# Altium PCB CarrierBoard.PcbDoc (part 2 of 2)
Units mm, origin at the board's own origin, x right, y up, seen from the top; angles counter-clockwise.
Board outline 350 x 150 mm, 2 copper layers (Top Layer, Bottom Layer); 50 components, 263 nets, 1134 pads, 905 vias.
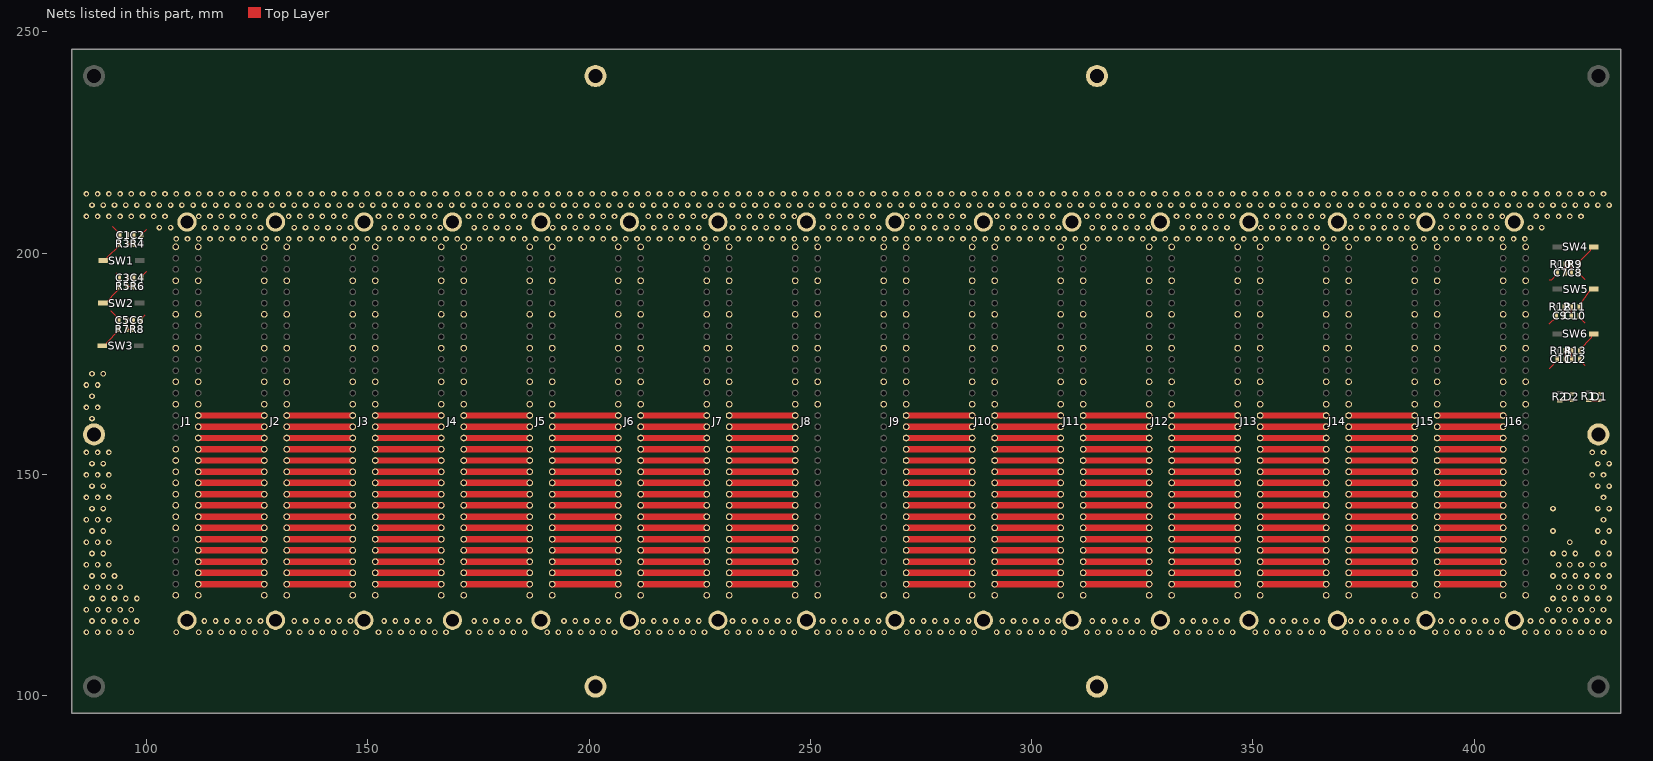
[diagram p2: the nets of this part, all layers, seen from the top]

## Via types
v1: diameter 1.27, hole 0.711, Top Layer to Bottom Layer, tented both sides, 905 vias

## Nets (pads, with @x,y where several pads share a name; then routed paths per layer and width w, separated by ;. In a path a pad name is that pad's centre, name@x,y a point inside that pad or via, vN(x,y) a via of type N, cw(c..) or ccw(c..) an arc to the next point about the centre after c; other vN are vias at no path point) (continued)
GND: C1.2 C2.2 C3.2 C4.2 C5.2 C6.2 C7.2 C8.2 C9.2 C10.2 C11.2 C12.2 D1.2 D2.2 J1.A1 J1.A4 J1.A7 J1.A10 J1.A13 J1.A15 J1.A19 J1.A20 J1.A21 J1.A22 J1.A23 J1.A24 J1.A25 J1.A26 J1.A32 J1.C1 J1.C4 J1.C7 J1.C10 J1.C13 J1.C15 J1.C32 J1.MH1 J1.MH2 J2.A1 J2.A4 J2.A7 J2.A10 J2.A13 J2.A15 J2.A32 J2.C1 J2.C4 J2.C7 J2.C10 J2.C13 J2.C15 J2.C32 J2.MH1 J2.MH2 J3.A1 J3.A4 J3.A7 J3.A10 J3.A13 J3.A15 J3.A32 J3.C1 J3.C4 J3.C7 J3.C10 J3.C13 J3.C15 J3.C32 J3.MH1 J3.MH2 J4.A1 J4.A4 J4.A7 J4.A10 J4.A13 J4.A15 J4.A32 J4.C1 J4.C4 J4.C7 J4.C10 J4.C13 J4.C15 J4.C32 J4.MH1 J4.MH2 J5.A1 J5.A4 J5.A7 J5.A10 J5.A13 J5.A15 J5.A32 J5.C1 J5.C4 J5.C7 J5.C10 J5.C13 J5.C15 J5.C32 J5.MH1 J5.MH2 J6.A1 J6.A4 J6.A7 J6.A10 J6.A13 J6.A15 J6.A32 J6.C1 J6.C4 J6.C7 J6.C10 J6.C13 J6.C15 J6.C32 J6.MH1 J6.MH2 J7.A1 J7.A4 J7.A7 J7.A10 J7.A13 J7.A15 J7.A32 J7.C1 J7.C4 J7.C7 J7.C10 J7.C13 J7.C15 J7.C32 J7.MH1 J7.MH2 J8.A1 J8.A4 J8.A7 J8.A10 J8.A13 J8.A15 J8.A32 J8.C1 J8.C4 J8.C7 J8.C10 J8.C13 J8.C15 J8.C32 J8.MH1 J8.MH2 J9.A1 J9.A4 J9.A7 J9.A10 J9.A13 J9.A15 J9.A32 J9.C1 J9.C4 J9.C7 J9.C10 J9.C13 J9.C15 J9.C32 J9.MH1 J9.MH2 J10.A1 J10.A4 J10.A7 J10.A10 J10.A13 J10.A15 J10.A32 J10.C1 J10.C4 J10.C7 J10.C10 J10.C13 J10.C15 J10.C32 J10.MH1 J10.MH2 J11.A1 J11.A4 J11.A7 J11.A10 J11.A13 J11.A15 J11.A32 J11.C1 J11.C4 J11.C7 J11.C10 J11.C13 J11.C15 J11.C32 J11.MH1 J11.MH2 J12.A1 J12.A4 J12.A7 J12.A10 J12.A13 J12.A15 J12.A32 J12.C1 J12.C4 J12.C7 J12.C10 J12.C13 J12.C15 J12.C32 J12.MH1 J12.MH2 J13.A1 J13.A4 J13.A7 J13.A10 J13.A13 J13.A15 J13.A32 J13.C1 J13.C4 J13.C7 J13.C10 J13.C13 J13.C15 J13.C32 J13.MH1 J13.MH2 J14.A1 J14.A4 J14.A7 J14.A10 J14.A13 J14.A15 J14.A32 J14.C1 J14.C4 J14.C7 J14.C10 J14.C13 J14.C15 J14.C32 J14.MH1 J14.MH2 J15.A1 J15.A4 J15.A7 J15.A10 J15.A13 J15.A15 J15.A32 J15.C1 J15.C4 J15.C7 J15.C10 J15.C13 J15.C15 J15.C32 J15.MH1 J15.MH2 J16.A1 J16.A4 J16.A7 J16.A10 J16.A13 J16.A15 J16.A32 J16.C1 J16.C4 J16.C7 J16.C10 J16.C13 J16.C15 J16.C32 J16.MH1 J16.MH2 pad.2@88.1,159 pad.2@201.433,102 pad.2@201.433,240 pad.2@314.767,102 pad.2@314.767,240 pad.2@428.1,159 | length 26
  Top Layer w0.254: 92,187 92,186.796 93.73,185.066 C5.2@93.73,184.796 ; 92.19,206 93.87,204.32 C1.2@93.87,204.05 ; 93,195.575 93.857,194.718 C3.2@93.857,194.448 ; C6.2@98.76,184.796 98.76,185.066 99.694,186 ; C4.2@98.887,194.448 98.887,194.718 100,195.831 ; C2.2@98.9,204.05 98.9,204.32 100,205.42 ; 417,174 417.064,174 418.792,175.728 C11.2@418.792,175.998 ; 417,194 417.506,194 418.792,195.286 C7.2@418.792,195.556 ; 417.031,184 418.538,185.507 C9.2@418.538,185.777 ; C10.2@423.746,185.777 423.746,185.507 425,184.253 ; C8.2@423.758,195.556 423.758,195.286 425,194.044 ; C12.2@423.874,175.998 423.874,175.728 425,174.602
  other v1: 86.36,114.3 88.9,114.3 91.44,114.3 93.98,114.3 96.52,114.3 106.68,114.3 111.76,114.3 114.3,114.3 116.84,114.3 119.38,114.3 121.92,114.3 124.46,114.3 127,114.3 132.08,114.3 134.62,114.3 137.16,114.3 139.7,114.3 142.24,114.3 144.78,114.3 147.32,114.3 152.4,114.3 154.94,114.3 157.48,114.3 160.02,114.3 162.56,114.3 165.1,114.3 167.64,114.3 172.72,114.3 175.26,114.3 177.8,114.3 180.34,114.3 182.88,114.3 185.42,114.3 190.5,114.3 193.04,114.3 195.58,114.3 198.12,114.3 200.66,114.3 203.2,114.3 205.74,114.3 210.82,114.3 213.36,114.3 215.9,114.3 218.44,114.3 220.98,114.3 223.52,114.3 226.06,114.3 231.14,114.3 233.68,114.3 236.22,114.3 238.76,114.3 241.3,114.3 243.84,114.3 246.38,114.3 251.46,114.3 254,114.3 256.54,114.3 259.08,114.3 261.62,114.3 264.16,114.3 266.7,114.3 271.78,114.3 274.32,114.3 276.86,114.3 279.4,114.3 281.94,114.3 284.48,114.3 287.02,114.3 292.1,114.3 294.64,114.3 297.18,114.3 299.72,114.3 302.26,114.3 304.8,114.3 307.34,114.3 312.42,114.3 314.96,114.3 317.5,114.3 320.04,114.3 322.58,114.3 325.12,114.3 327.66,114.3 332.74,114.3 335.28,114.3 337.82,114.3 340.36,114.3 342.9,114.3 345.44,114.3 350.52,114.3 353.06,114.3 355.6,114.3 358.14,114.3 360.68,114.3 363.22,114.3 365.76,114.3 370.84,114.3 373.38,114.3 375.92,114.3 378.46,114.3 381,114.3 383.54,114.3 386.08,114.3 391.16,114.3 393.7,114.3 396.24,114.3 398.78,114.3 401.32,114.3 403.86,114.3 406.4,114.3 411.48,114.3 414.02,114.3 416.56,114.3 419.1,114.3 421.64,114.3 424.18,114.3 426.72,114.3 429.26,114.3 87.63,116.84 90.17,116.84 92.71,116.84 95.25,116.84 97.79,116.84 113.03,116.84 115.57,116.84 118.11,116.84 120.65,116.84 123.19,116.84 125.73,116.84 133.35,116.84 135.89,116.84 138.43,116.84 140.97,116.84 143.51,116.84 146.05,116.84 153.67,116.84 156.21,116.84 158.75,116.84 161.29,116.84 163.83,116.84 173.99,116.84 176.53,116.84 179.07,116.84 181.61,116.84 184.15,116.84 194.31,116.84 196.85,116.84 199.39,116.84 201.93,116.84 204.47,116.84 212.09,116.84 214.63,116.84 217.17,116.84 219.71,116.84 222.25,116.84 224.79,116.84 232.41,116.84 234.95,116.84 237.49,116.84 240.03,116.84 242.57,116.84 245.11,116.84 252.73,116.84 255.27,116.84 257.81,116.84 260.35,116.84 262.89,116.84 265.43,116.84 273.05,116.84 275.59,116.84 278.13,116.84 280.67,116.84 283.21,116.84 285.75,116.84 293.37,116.84 295.91,116.84 298.45,116.84 300.99,116.84 303.53,116.84 306.07,116.84 313.69,116.84 316.23,116.84 318.77,116.84 321.31,116.84 323.85,116.84 334.01,116.84 336.55,116.84 339.09,116.84 341.63,116.84 344.17,116.84 354.33,116.84 356.87,116.84 359.41,116.84 361.95,116.84 364.49,116.84 372.11,116.84 374.65,116.84 377.19,116.84 379.73,116.84 382.27,116.84 384.81,116.84 392.43,116.84 394.97,116.84 397.51,116.84 400.05,116.84 402.59,116.84 405.13,116.84 412.75,116.84 415.29,116.84 417.83,116.84 420.37,116.84 422.91,116.84 425.45,116.84 427.99,116.84 430.53,116.84 86.36,119.38 88.9,119.38 91.44,119.38 93.98,119.38 96.52,119.38 416.56,119.38 419.1,119.38 421.64,119.38 424.18,119.38 426.72,119.38 429.26,119.38 87.63,121.92 90.17,121.92 92.71,121.92 95.25,121.92 97.79,121.92 417.83,121.92 420.37,121.92 422.91,121.92 425.45,121.92 427.99,121.92 430.53,121.92 86.36,124.46 88.9,124.46 91.44,124.46 93.98,124.46 419.1,124.46 421.64,124.46 424.18,124.46 426.72,124.46 429.26,124.46 87.63,127 90.17,127 92.71,127 417.83,127 420.37,127 422.91,127 425.45,127 427.99,127 430.53,127 86.36,129.54 88.9,129.54 91.44,129.54 419.1,129.54 421.64,129.54 424.18,129.54 426.72,129.54 429.26,129.54 87.63,132.08 90.17,132.08 417.83,132.08 420.37,132.08 422.91,132.08 427.99,132.08 430.53,132.08 86.36,134.62 88.9,134.62 91.44,134.62 421.64,134.62 429.26,134.62 87.63,137.16 90.17,137.16 417.83,137.16 427.99,137.16 430.53,137.16 86.36,139.7 88.9,139.7 91.44,139.7 429.26,139.7 87.63,142.24 90.17,142.24 417.83,142.24 427.99,142.24 430.53,142.24 86.36,144.78 88.9,144.78 91.44,144.78 429.26,144.78 87.63,147.32 90.17,147.32 427.99,147.32 430.53,147.32 86.36,149.86 88.9,149.86 91.44,149.86 426.72,149.86 429.26,149.86 87.63,152.4 90.17,152.4 427.99,152.4 430.53,152.4 86.36,154.94 88.9,154.94 91.44,154.94 426.72,154.94 429.26,154.94 87.63,162.56 86.36,165.1 88.9,165.1 87.63,167.64 86.36,170.18 88.9,170.18 87.63,172.72 90.17,172.72 106.68,203.2 109.22,203.2 111.76,203.2 114.3,203.2 116.84,203.2 119.38,203.2 121.92,203.2 124.46,203.2 127,203.2 129.54,203.2 132.08,203.2 134.62,203.2 137.16,203.2 139.7,203.2 142.24,203.2 144.78,203.2 147.32,203.2 149.86,203.2 152.4,203.2 154.94,203.2 157.48,203.2 160.02,203.2 162.56,203.2 165.1,203.2 167.64,203.2 170.18,203.2 172.72,203.2 175.26,203.2 177.8,203.2 180.34,203.2 182.88,203.2 185.42,203.2 187.96,203.2 190.5,203.2 193.04,203.2 195.58,203.2 198.12,203.2 200.66,203.2 203.2,203.2 205.74,203.2 208.28,203.2 210.82,203.2 213.36,203.2 215.9,203.2 218.44,203.2 220.98,203.2 223.52,203.2 226.06,203.2 228.6,203.2 231.14,203.2 233.68,203.2 236.22,203.2 238.76,203.2 241.3,203.2 243.84,203.2 246.38,203.2 248.92,203.2 251.46,203.2 254,203.2 256.54,203.2 259.08,203.2 261.62,203.2 264.16,203.2 266.7,203.2 269.24,203.2 271.78,203.2 274.32,203.2 276.86,203.2 279.4,203.2 281.94,203.2 284.48,203.2 287.02,203.2 289.56,203.2 292.1,203.2 294.64,203.2 297.18,203.2 299.72,203.2 302.26,203.2 304.8,203.2 307.34,203.2 309.88,203.2 312.42,203.2 314.96,203.2 317.5,203.2 320.04,203.2 322.58,203.2 325.12,203.2 327.66,203.2 330.2,203.2 332.74,203.2 335.28,203.2 337.82,203.2 340.36,203.2 342.9,203.2 345.44,203.2 347.98,203.2 350.52,203.2 353.06,203.2 355.6,203.2 358.14,203.2 360.68,203.2 363.22,203.2 365.76,203.2 368.3,203.2 370.84,203.2 373.38,203.2 375.92,203.2 378.46,203.2 381,203.2 383.54,203.2 386.08,203.2 388.62,203.2 391.16,203.2 393.7,203.2 396.24,203.2 398.78,203.2 401.32,203.2 403.86,203.2 406.4,203.2 408.94,203.2 411.48,203.2 102.87,205.74 105.41,205.74 113.03,205.74 115.57,205.74 118.11,205.74 120.65,205.74 123.19,205.74 125.73,205.74 133.35,205.74 135.89,205.74 138.43,205.74 140.97,205.74 143.51,205.74 146.05,205.74 153.67,205.74 156.21,205.74 158.75,205.74 161.29,205.74 163.83,205.74 166.37,205.74 173.99,205.74 176.53,205.74 179.07,205.74 181.61,205.74 184.15,205.74 191.77,205.74 194.31,205.74 196.85,205.74 199.39,205.74 201.93,205.74 204.47,205.74 212.09,205.74 214.63,205.74 217.17,205.74 219.71,205.74 222.25,205.74 224.79,205.74 232.41,205.74 234.95,205.74 237.49,205.74 240.03,205.74 242.57,205.74 245.11,205.74 252.73,205.74 255.27,205.74 257.81,205.74 260.35,205.74 262.89,205.74 265.43,205.74 273.05,205.74 275.59,205.74 278.13,205.74 280.67,205.74 283.21,205.74 285.75,205.74 293.37,205.74 295.91,205.74 298.45,205.74 300.99,205.74 303.53,205.74 306.07,205.74 313.69,205.74 316.23,205.74 318.77,205.74 321.31,205.74 323.85,205.74 326.39,205.74 334.01,205.74 336.55,205.74 339.09,205.74 341.63,205.74 344.17,205.74 351.79,205.74 354.33,205.74 356.87,205.74 359.41,205.74 361.95,205.74 364.49,205.74 372.11,205.74 374.65,205.74 377.19,205.74 379.73,205.74 382.27,205.74 384.81,205.74 392.43,205.74 394.97,205.74 397.51,205.74 400.05,205.74 402.59,205.74 405.13,205.74 412.75,205.74 415.29,205.74 86.36,208.28 88.9,208.28 91.44,208.28 93.98,208.28 96.52,208.28 99.06,208.28 101.6,208.28 104.14,208.28 111.76,208.28 114.3,208.28 116.84,208.28 119.38,208.28 121.92,208.28 124.46,208.28 132.08,208.28 134.62,208.28 137.16,208.28 139.7,208.28 142.24,208.28 144.78,208.28 152.4,208.28 154.94,208.28 157.48,208.28 160.02,208.28 162.56,208.28 165.1,208.28 172.72,208.28 175.26,208.28 177.8,208.28 180.34,208.28 182.88,208.28 185.42,208.28 193.04,208.28 195.58,208.28 198.12,208.28 200.66,208.28 203.2,208.28 205.74,208.28 213.36,208.28 215.9,208.28 218.44,208.28 220.98,208.28 223.52,208.28 226.06,208.28 233.68,208.28 236.22,208.28 238.76,208.28 241.3,208.28 243.84,208.28 246.38,208.28 254,208.28 256.54,208.28 259.08,208.28 261.62,208.28 264.16,208.28 271.78,208.28 274.32,208.28 276.86,208.28 279.4,208.28 281.94,208.28 284.48,208.28 292.1,208.28 294.64,208.28 297.18,208.28 299.72,208.28 302.26,208.28 304.8,208.28 312.42,208.28 314.96,208.28 317.5,208.28 320.04,208.28 322.58,208.28 325.12,208.28 332.74,208.28 335.28,208.28 337.82,208.28 340.36,208.28 342.9,208.28 345.44,208.28 353.06,208.28 355.6,208.28 358.14,208.28 360.68,208.28 363.22,208.28 365.76,208.28 373.38,208.28 375.92,208.28 378.46,208.28 381,208.28 383.54,208.28 386.08,208.28 393.7,208.28 396.24,208.28 398.78,208.28 401.32,208.28 403.86,208.28 406.4,208.28 414.02,208.28 416.56,208.28 419.1,208.28 421.64,208.28 424.18,208.28 87.63,210.82 90.17,210.82 92.71,210.82 95.25,210.82 97.79,210.82 100.33,210.82 102.87,210.82 105.41,210.82 107.95,210.82 110.49,210.82 113.03,210.82 115.57,210.82 118.11,210.82 120.65,210.82 123.19,210.82 125.73,210.82 128.27,210.82 130.81,210.82 133.35,210.82 135.89,210.82 138.43,210.82 140.97,210.82 143.51,210.82 146.05,210.82 148.59,210.82 151.13,210.82 153.67,210.82 156.21,210.82 158.75,210.82 161.29,210.82 163.83,210.82 166.37,210.82 168.91,210.82 171.45,210.82 173.99,210.82 176.53,210.82 179.07,210.82 181.61,210.82 184.15,210.82 186.69,210.82 189.23,210.82 191.77,210.82 194.31,210.82 196.85,210.82 199.39,210.82 201.93,210.82 204.47,210.82 207.01,210.82 209.55,210.82 212.09,210.82 214.63,210.82 217.17,210.82 219.71,210.82 222.25,210.82 224.79,210.82 227.33,210.82 229.87,210.82 232.41,210.82 234.95,210.82 237.49,210.82 240.03,210.82 242.57,210.82 245.11,210.82 247.65,210.82 250.19,210.82 252.73,210.82 255.27,210.82 257.81,210.82 260.35,210.82 262.89,210.82 265.43,210.82 267.97,210.82 270.51,210.82 273.05,210.82 275.59,210.82 278.13,210.82 280.67,210.82 283.21,210.82 285.75,210.82 288.29,210.82 290.83,210.82 293.37,210.82 295.91,210.82 298.45,210.82 300.99,210.82 303.53,210.82 306.07,210.82 308.61,210.82 311.15,210.82 313.69,210.82 316.23,210.82 318.77,210.82 321.31,210.82 323.85,210.82 326.39,210.82 328.93,210.82 331.47,210.82 334.01,210.82 336.55,210.82 339.09,210.82 341.63,210.82 344.17,210.82 346.71,210.82 349.25,210.82 351.79,210.82 354.33,210.82 356.87,210.82 359.41,210.82 361.95,210.82 364.49,210.82 367.03,210.82 369.57,210.82 372.11,210.82 374.65,210.82 377.19,210.82 379.73,210.82 382.27,210.82 384.81,210.82 387.35,210.82 389.89,210.82 392.43,210.82 394.97,210.82 397.51,210.82 400.05,210.82 402.59,210.82 405.13,210.82 407.67,210.82 410.21,210.82 412.75,210.82 415.29,210.82 417.83,210.82 420.37,210.82 422.91,210.82 425.45,210.82 427.99,210.82 430.53,210.82 86.36,213.36 88.9,213.36 91.44,213.36 93.98,213.36 96.52,213.36 99.06,213.36 101.6,213.36 104.14,213.36 106.68,213.36 109.22,213.36 111.76,213.36 114.3,213.36 116.84,213.36 119.38,213.36 121.92,213.36 124.46,213.36 127,213.36 129.54,213.36 132.08,213.36 134.62,213.36 137.16,213.36 139.7,213.36 142.24,213.36 144.78,213.36 147.32,213.36 149.86,213.36 152.4,213.36 154.94,213.36 157.48,213.36 160.02,213.36 162.56,213.36 165.1,213.36 167.64,213.36 170.18,213.36 172.72,213.36 175.26,213.36 177.8,213.36 180.34,213.36 182.88,213.36 185.42,213.36 187.96,213.36 190.5,213.36 193.04,213.36 195.58,213.36 198.12,213.36 200.66,213.36 203.2,213.36 205.74,213.36 208.28,213.36 210.82,213.36 213.36,213.36 215.9,213.36 218.44,213.36 220.98,213.36 223.52,213.36 226.06,213.36 228.6,213.36 231.14,213.36 233.68,213.36 236.22,213.36 238.76,213.36 241.3,213.36 243.84,213.36 246.38,213.36 248.92,213.36 251.46,213.36 254,213.36 256.54,213.36 259.08,213.36 261.62,213.36 264.16,213.36 266.7,213.36 269.24,213.36 271.78,213.36 274.32,213.36 276.86,213.36 279.4,213.36 281.94,213.36 284.48,213.36 287.02,213.36 289.56,213.36 292.1,213.36 294.64,213.36 297.18,213.36 299.72,213.36 302.26,213.36 304.8,213.36 307.34,213.36 309.88,213.36 312.42,213.36 314.96,213.36 317.5,213.36 320.04,213.36 322.58,213.36 325.12,213.36 327.66,213.36 330.2,213.36 332.74,213.36 335.28,213.36 337.82,213.36 340.36,213.36 342.9,213.36 345.44,213.36 347.98,213.36 350.52,213.36 353.06,213.36 355.6,213.36 358.14,213.36 360.68,213.36 363.22,213.36 365.76,213.36 368.3,213.36 370.84,213.36 373.38,213.36 375.92,213.36 378.46,213.36 381,213.36 383.54,213.36 386.08,213.36 388.62,213.36 391.16,213.36 393.7,213.36 396.24,213.36 398.78,213.36 401.32,213.36 403.86,213.36 406.4,213.36 408.94,213.36 411.48,213.36 414.02,213.36 416.56,213.36 419.1,213.36 421.64,213.36 424.18,213.36 426.72,213.36 429.26,213.36
NetC1_1: C1.1 C2.1 R3.2 R4.2 | length 5.5
  Top Layer w0.254: C1.1@95.66,204.05 95.655,204.045 95.655,202.055 R3.2@95.65,202.05 R4.2@97.12,202.05 97.115,202.055 97.115,204.045 C2.1@97.11,204.05
NetC3_1: C3.1 C4.1 R5.2 R6.2 | length 5.5
  Top Layer w0.254: C3.1@95.647,194.448 95.642,194.443 95.642,192.453 R5.2@95.637,192.448 R6.2@97.107,192.448 97.102,192.453 97.102,194.443 C4.1@97.097,194.448
NetC5_1: C5.1 C6.1 R7.2 R8.2 | length 5.5
  Top Layer w0.254: R7.2@95.51,182.796 R7.2@95.515,182.801 ; C5.1@95.52,184.796 95.515,184.791 R7.2@95.515,182.801 ; C6.1@96.97,184.796 96.975,184.791 96.975,182.801 R8.2@96.98,182.796 95.52,182.796 R7.2@95.515,182.801
NetC7_1: C7.1 C8.1 R9.2 R10.2 | length 5.2
  Top Layer w0.254: C7.1@420.582,195.556 420.576,195.562 420.576,197.456 R10.2@420.571,197.461 R9.2@421.967,197.461 ; C8.1@421.968,195.556 R9.2@421.967,197.46
NetC9_1: C9.1 C10.1 R11.2 R12.2 | length 5.8
  Top Layer w0.254: C9.1@420.328,185.777 420.335,186.3 420.335,187.339 R12.2@420.356,187.862 R11.2@421.966,187.862 421.964,187.339 421.964,186.3 C10.1@421.956,185.777
NetC11_1: C11.1 C12.1 R13.2 R14.2 | length 5.3
  Top Layer w0.254: C11.1@420.582,175.998 R14.2@420.582,177.902 ; R14.2@420.583,177.903 R13.2@422.094,177.903 422.089,177.898 422.089,176.003 C12.1@422.084,175.998
NetD1_1: D1.1 R1.1 | length 3
  Top Layer w0.254: R1.1@425.456,166.6 428.238,166.6 D1.1@428.377,166.739
NetD2_1: D2.1 R2.1 | length 2.6
  Top Layer w0.254: R2.1@419.469,166.739 D2.1@422.027,166.739
NetJ1_C16: J1.C16 J2.A16 | length 14.9
  Top Layer w1.45: J1.C16@111.64,163.27 J2.A16@126.56,163.27
NetJ1_C17: J1.C17 J2.A17 | length 14.9
  Top Layer w1.45: J1.C17@111.64,160.73 J2.A17@126.56,160.73
NetJ1_C18: J1.C18 J2.A18 | length 14.9
  Top Layer w1.45: J1.C18@111.64,158.19 J2.A18@126.56,158.19
NetJ1_C19: J1.C19 J2.A19 | length 14.9
  Top Layer w1.45: J1.C19@111.64,155.65 J2.A19@126.56,155.65
NetJ1_C20: J1.C20 J2.A20 | length 14.9
  Top Layer w1.45: J1.C20@111.64,153.11 J2.A20@126.56,153.11
NetJ1_C21: J1.C21 J2.A21 | length 14.9
  Top Layer w1.45: J1.C21@111.64,150.57 J2.A21@126.56,150.57
NetJ1_C22: J1.C22 J2.A22 | length 14.9
  Top Layer w1.45: J1.C22@111.64,148.03 J2.A22@126.56,148.03
NetJ1_C23: J1.C23 J2.A23 | length 14.9
  Top Layer w1.45: J1.C23@111.64,145.49 J2.A23@126.56,145.49
NetJ1_C24: J1.C24 J2.A24 | length 14.9
  Top Layer w1.45: J1.C24@111.64,142.95 J2.A24@126.56,142.95
NetJ1_C25: J1.C25 J2.A25 | length 14.9
  Top Layer w1.45: J1.C25@111.64,140.41 J2.A25@126.56,140.41
NetJ1_C26: J1.C26 J2.A26 | length 14.9
  Top Layer w1.45: J1.C26@111.64,137.87 J2.A26@126.56,137.87
NetJ1_C27: J1.C27 J2.A27 | length 14.9
  Top Layer w1.45: J1.C27@111.64,135.33 J2.A27@126.56,135.33
NetJ1_C28: J1.C28 J2.A28 | length 14.9
  Top Layer w1.45: J1.C28@111.64,132.79 J2.A28@126.56,132.79
NetJ1_C29: J1.C29 J2.A29 | length 14.9
  Top Layer w1.45: J1.C29@111.64,130.25 J2.A29@126.56,130.25
NetJ1_C30: J1.C30 J2.A30 | length 14.9
  Top Layer w1.45: J1.C30@111.64,127.71 J2.A30@126.56,127.71
NetJ1_C31: J1.C31 J2.A31 | length 14.9
  Top Layer w1.45: J1.C31@111.64,125.17 J2.A31@126.56,125.17
NetJ2_C16: J2.C16 J3.A16 | length 14.9
  Top Layer w1.45: J2.C16@131.64,163.27 J3.A16@146.56,163.27
NetJ2_C17: J2.C17 J3.A17 | length 14.9
  Top Layer w1.45: J2.C17@131.64,160.73 J3.A17@146.56,160.73
NetJ2_C18: J2.C18 J3.A18 | length 14.9
  Top Layer w1.45: J2.C18@131.64,158.19 J3.A18@146.56,158.19
NetJ2_C19: J2.C19 J3.A19 | length 14.9
  Top Layer w1.45: J2.C19@131.64,155.65 J3.A19@146.56,155.65
NetJ2_C20: J2.C20 J3.A20 | length 14.9
  Top Layer w1.45: J2.C20@131.64,153.11 J3.A20@146.56,153.11
NetJ2_C21: J2.C21 J3.A21 | length 14.9
  Top Layer w1.45: J2.C21@131.64,150.57 J3.A21@146.56,150.57
NetJ2_C22: J2.C22 J3.A22 | length 14.9
  Top Layer w1.45: J2.C22@131.64,148.03 J3.A22@146.56,148.03
NetJ2_C23: J2.C23 J3.A23 | length 14.9
  Top Layer w1.45: J2.C23@131.64,145.49 J3.A23@146.56,145.49
NetJ2_C24: J2.C24 J3.A24 | length 14.9
  Top Layer w1.45: J2.C24@131.64,142.95 J3.A24@146.56,142.95
NetJ2_C25: J2.C25 J3.A25 | length 14.9
  Top Layer w1.45: J2.C25@131.64,140.41 J3.A25@146.56,140.41
NetJ2_C26: J2.C26 J3.A26 | length 14.9
  Top Layer w1.45: J2.C26@131.64,137.87 J3.A26@146.56,137.87
NetJ2_C27: J2.C27 J3.A27 | length 14.9
  Top Layer w1.45: J2.C27@131.64,135.33 J3.A27@146.56,135.33
NetJ2_C28: J2.C28 J3.A28 | length 14.9
  Top Layer w1.45: J2.C28@131.64,132.79 J3.A28@146.56,132.79
NetJ2_C29: J2.C29 J3.A29 | length 14.9
  Top Layer w1.45: J2.C29@131.64,130.25 J3.A29@146.56,130.25
NetJ2_C30: J2.C30 J3.A30 | length 14.9
  Top Layer w1.45: J2.C30@131.64,127.71 J3.A30@146.56,127.71
NetJ2_C31: J2.C31 J3.A31 | length 14.9
  Top Layer w1.45: J2.C31@131.64,125.17 J3.A31@146.56,125.17
NetJ3_C16: J3.C16 J4.A16 | length 14.9
  Top Layer w1.45: J3.C16@151.64,163.27 J4.A16@166.56,163.27
NetJ3_C17: J3.C17 J4.A17 | length 14.9
  Top Layer w1.45: J3.C17@151.64,160.73 J4.A17@166.56,160.73
NetJ3_C18: J3.C18 J4.A18 | length 14.9
  Top Layer w1.45: J3.C18@151.64,158.19 J4.A18@166.56,158.19
NetJ3_C19: J3.C19 J4.A19 | length 14.9
  Top Layer w1.45: J3.C19@151.64,155.65 J4.A19@166.56,155.65
NetJ3_C20: J3.C20 J4.A20 | length 14.9
  Top Layer w1.45: J3.C20@151.64,153.11 J4.A20@166.56,153.11
NetJ3_C21: J3.C21 J4.A21 | length 14.9
  Top Layer w1.45: J3.C21@151.64,150.57 J4.A21@166.56,150.57
NetJ3_C22: J3.C22 J4.A22 | length 14.9
  Top Layer w1.45: J3.C22@151.64,148.03 J4.A22@166.56,148.03
NetJ3_C23: J3.C23 J4.A23 | length 14.9
  Top Layer w1.45: J3.C23@151.64,145.49 J4.A23@166.56,145.49
NetJ3_C24: J3.C24 J4.A24 | length 14.9
  Top Layer w1.45: J3.C24@151.64,142.95 J4.A24@166.56,142.95
NetJ3_C25: J3.C25 J4.A25 | length 14.9
  Top Layer w1.45: J3.C25@151.64,140.41 J4.A25@166.56,140.41
NetJ3_C26: J3.C26 J4.A26 | length 14.9
  Top Layer w1.45: J3.C26@151.64,137.87 J4.A26@166.56,137.87
NetJ3_C27: J3.C27 J4.A27 | length 14.9
  Top Layer w1.45: J3.C27@151.64,135.33 J4.A27@166.56,135.33
NetJ3_C28: J3.C28 J4.A28 | length 14.9
  Top Layer w1.45: J3.C28@151.64,132.79 J4.A28@166.56,132.79
NetJ3_C29: J3.C29 J4.A29 | length 14.9
  Top Layer w1.45: J3.C29@151.64,130.25 J4.A29@166.56,130.25
NetJ3_C30: J3.C30 J4.A30 | length 14.9
  Top Layer w1.45: J3.C30@151.64,127.71 J4.A30@166.56,127.71
NetJ3_C31: J3.C31 J4.A31 | length 14.9
  Top Layer w1.45: J3.C31@151.64,125.17 J4.A31@166.56,125.17
NetJ4_C16: J4.C16 J5.A16 | length 14.9
  Top Layer w1.45: J4.C16@171.64,163.27 J5.A16@186.56,163.27
NetJ4_C17: J4.C17 J5.A17 | length 14.9
  Top Layer w1.45: J4.C17@171.64,160.73 J5.A17@186.56,160.73
NetJ4_C18: J4.C18 J5.A18 | length 14.9
  Top Layer w1.45: J4.C18@171.64,158.19 J5.A18@186.56,158.19
NetJ4_C19: J4.C19 J5.A19 | length 14.9
  Top Layer w1.45: J4.C19@171.64,155.65 J5.A19@186.56,155.65
NetJ4_C20: J4.C20 J5.A20 | length 14.9
  Top Layer w1.45: J4.C20@171.64,153.11 J5.A20@186.56,153.11
NetJ4_C21: J4.C21 J5.A21 | length 14.9
  Top Layer w1.45: J4.C21@171.64,150.57 J5.A21@186.56,150.57
NetJ4_C22: J4.C22 J5.A22 | length 14.9
  Top Layer w1.45: J4.C22@171.64,148.03 J5.A22@186.56,148.03
NetJ4_C23: J4.C23 J5.A23 | length 14.9
  Top Layer w1.45: J4.C23@171.64,145.49 J5.A23@186.56,145.49
NetJ4_C24: J4.C24 J5.A24 | length 14.9
  Top Layer w1.45: J4.C24@171.64,142.95 J5.A24@186.56,142.95
NetJ4_C25: J4.C25 J5.A25 | length 14.9
  Top Layer w1.45: J4.C25@171.64,140.41 J5.A25@186.56,140.41
NetJ4_C26: J4.C26 J5.A26 | length 14.9
  Top Layer w1.45: J4.C26@171.64,137.87 J5.A26@186.56,137.87
NetJ4_C27: J4.C27 J5.A27 | length 14.9
  Top Layer w1.45: J4.C27@171.64,135.33 J5.A27@186.56,135.33
NetJ4_C28: J4.C28 J5.A28 | length 14.9
  Top Layer w1.45: J4.C28@171.64,132.79 J5.A28@186.56,132.79
NetJ4_C29: J4.C29 J5.A29 | length 14.9
  Top Layer w1.45: J4.C29@171.64,130.25 J5.A29@186.56,130.25
NetJ4_C30: J4.C30 J5.A30 | length 14.9
  Top Layer w1.45: J4.C30@171.64,127.71 J5.A30@186.56,127.71
NetJ4_C31: J4.C31 J5.A31 | length 14.9
  Top Layer w1.45: J4.C31@171.64,125.17 J5.A31@186.56,125.17
NetJ5_C16: J5.C16 J6.A16 | length 14.9
  Top Layer w1.45: J5.C16@191.64,163.27 J6.A16@206.56,163.27
NetJ5_C17: J5.C17 J6.A17 | length 14.9
  Top Layer w1.45: J5.C17@191.64,160.73 J6.A17@206.56,160.73
NetJ5_C18: J5.C18 J6.A18 | length 14.9
  Top Layer w1.45: J5.C18@191.64,158.19 J6.A18@206.56,158.19
NetJ5_C19: J5.C19 J6.A19 | length 14.9
  Top Layer w1.45: J5.C19@191.64,155.65 J6.A19@206.56,155.65
NetJ5_C20: J5.C20 J6.A20 | length 14.9
  Top Layer w1.45: J5.C20@191.64,153.11 J6.A20@206.56,153.11
NetJ5_C21: J5.C21 J6.A21 | length 14.9
  Top Layer w1.45: J5.C21@191.64,150.57 J6.A21@206.56,150.57
NetJ5_C22: J5.C22 J6.A22 | length 14.9
  Top Layer w1.45: J5.C22@191.64,148.03 J6.A22@206.56,148.03
NetJ5_C23: J5.C23 J6.A23 | length 14.9
  Top Layer w1.45: J5.C23@191.64,145.49 J6.A23@206.56,145.49
NetJ5_C24: J5.C24 J6.A24 | length 14.9
  Top Layer w1.45: J5.C24@191.64,142.95 J6.A24@206.56,142.95
NetJ5_C25: J5.C25 J6.A25 | length 14.9
  Top Layer w1.45: J5.C25@191.64,140.41 J6.A25@206.56,140.41
NetJ5_C26: J5.C26 J6.A26 | length 14.9
  Top Layer w1.45: J5.C26@191.64,137.87 J6.A26@206.56,137.87
NetJ5_C27: J5.C27 J6.A27 | length 14.9
  Top Layer w1.45: J5.C27@191.64,135.33 J6.A27@206.56,135.33
NetJ5_C28: J5.C28 J6.A28 | length 14.9
  Top Layer w1.45: J5.C28@191.64,132.79 J6.A28@206.56,132.79
NetJ5_C29: J5.C29 J6.A29 | length 14.9
  Top Layer w1.45: J5.C29@191.64,130.25 J6.A29@206.56,130.25
NetJ5_C30: J5.C30 J6.A30 | length 14.9
  Top Layer w1.45: J5.C30@191.64,127.71 J6.A30@206.56,127.71
NetJ5_C31: J5.C31 J6.A31 | length 14.9
  Top Layer w1.45: J5.C31@191.64,125.17 J6.A31@206.56,125.17
NetJ6_C16: J6.C16 J7.A16 | length 14.9
  Top Layer w1.45: J6.C16@211.64,163.27 J7.A16@226.56,163.27
NetJ6_C17: J6.C17 J7.A17 | length 14.9
  Top Layer w1.45: J6.C17@211.64,160.73 J7.A17@226.56,160.73
NetJ6_C18: J6.C18 J7.A18 | length 14.9
  Top Layer w1.45: J6.C18@211.64,158.19 J7.A18@226.56,158.19
NetJ6_C19: J6.C19 J7.A19 | length 14.9
  Top Layer w1.45: J6.C19@211.64,155.65 J7.A19@226.56,155.65
NetJ6_C20: J6.C20 J7.A20 | length 14.9
  Top Layer w1.45: J6.C20@211.64,153.11 J7.A20@226.56,153.11
NetJ6_C21: J6.C21 J7.A21 | length 14.9
  Top Layer w1.45: J6.C21@211.64,150.57 J7.A21@226.56,150.57
NetJ6_C22: J6.C22 J7.A22 | length 14.9
  Top Layer w1.45: J6.C22@211.64,148.03 J7.A22@226.56,148.03
NetJ6_C23: J6.C23 J7.A23 | length 14.9
  Top Layer w1.45: J6.C23@211.64,145.49 J7.A23@226.56,145.49
NetJ6_C24: J6.C24 J7.A24 | length 14.9
  Top Layer w1.45: J6.C24@211.64,142.95 J7.A24@226.56,142.95
NetJ6_C25: J6.C25 J7.A25 | length 14.9
  Top Layer w1.45: J6.C25@211.64,140.41 J7.A25@226.56,140.41
NetJ6_C26: J6.C26 J7.A26 | length 14.9
  Top Layer w1.45: J6.C26@211.64,137.87 J7.A26@226.56,137.87
NetJ6_C27: J6.C27 J7.A27 | length 14.9
  Top Layer w1.45: J6.C27@211.64,135.33 J7.A27@226.56,135.33
NetJ6_C28: J6.C28 J7.A28 | length 14.9
  Top Layer w1.45: J6.C28@211.64,132.79 J7.A28@226.56,132.79
NetJ6_C29: J6.C29 J7.A29 | length 14.9
  Top Layer w1.45: J6.C29@211.64,130.25 J7.A29@226.56,130.25
NetJ6_C30: J6.C30 J7.A30 | length 14.9
  Top Layer w1.45: J6.C30@211.64,127.71 J7.A30@226.56,127.71
NetJ6_C31: J6.C31 J7.A31 | length 14.9
  Top Layer w1.45: J6.C31@211.64,125.17 J7.A31@226.56,125.17
NetJ7_C16: J7.C16 J8.A16 | length 14.9
  Top Layer w1.45: J7.C16@231.64,163.27 J8.A16@246.56,163.27
NetJ7_C17: J7.C17 J8.A17 | length 14.9
  Top Layer w1.45: J7.C17@231.64,160.73 J8.A17@246.56,160.73
NetJ7_C18: J7.C18 J8.A18 | length 14.9
  Top Layer w1.45: J7.C18@231.64,158.19 J8.A18@246.56,158.19
NetJ7_C19: J7.C19 J8.A19 | length 14.9
  Top Layer w1.45: J7.C19@231.64,155.65 J8.A19@246.56,155.65
NetJ7_C20: J7.C20 J8.A20 | length 14.9
  Top Layer w1.45: J7.C20@231.64,153.11 J8.A20@246.56,153.11
NetJ7_C21: J7.C21 J8.A21 | length 14.9
  Top Layer w1.45: J7.C21@231.64,150.57 J8.A21@246.56,150.57
NetJ7_C22: J7.C22 J8.A22 | length 14.9
  Top Layer w1.45: J7.C22@231.64,148.03 J8.A22@246.56,148.03
NetJ7_C23: J7.C23 J8.A23 | length 14.9
  Top Layer w1.45: J7.C23@231.64,145.49 J8.A23@246.56,145.49
NetJ7_C24: J7.C24 J8.A24 | length 14.9
  Top Layer w1.45: J7.C24@231.64,142.95 J8.A24@246.56,142.95
NetJ7_C25: J7.C25 J8.A25 | length 14.9
  Top Layer w1.45: J7.C25@231.64,140.41 J8.A25@246.56,140.41
NetJ7_C26: J7.C26 J8.A26 | length 14.9
  Top Layer w1.45: J7.C26@231.64,137.87 J8.A26@246.56,137.87
NetJ7_C27: J7.C27 J8.A27 | length 14.9
  Top Layer w1.45: J7.C27@231.64,135.33 J8.A27@246.56,135.33
NetJ7_C28: J7.C28 J8.A28 | length 14.9
  Top Layer w1.45: J7.C28@231.64,132.79 J8.A28@246.56,132.79
NetJ7_C29: J7.C29 J8.A29 | length 14.9
  Top Layer w1.45: J7.C29@231.64,130.25 J8.A29@246.56,130.25
NetJ7_C30: J7.C30 J8.A30 | length 14.9
  Top Layer w1.45: J7.C30@231.64,127.71 J8.A30@246.56,127.71
NetJ7_C31: J7.C31 J8.A31 | length 14.9
  Top Layer w1.45: J7.C31@231.64,125.17 J8.A31@246.56,125.17
NetJ9_C16: J9.C16 J10.A16 | length 14.9
  Top Layer w1.45: J9.C16@271.64,163.27 J10.A16@286.56,163.27
NetJ9_C17: J9.C17 J10.A17 | length 14.9
  Top Layer w1.45: J9.C17@271.64,160.73 J10.A17@286.56,160.73
NetJ9_C18: J9.C18 J10.A18 | length 14.9
  Top Layer w1.45: J9.C18@271.64,158.19 J10.A18@286.56,158.19
NetJ9_C19: J9.C19 J10.A19 | length 14.9
  Top Layer w1.45: J9.C19@271.64,155.65 J10.A19@286.56,155.65
NetJ9_C20: J9.C20 J10.A20 | length 14.9
  Top Layer w1.45: J9.C20@271.64,153.11 J10.A20@286.56,153.11
NetJ9_C21: J9.C21 J10.A21 | length 14.9
  Top Layer w1.45: J9.C21@271.64,150.57 J10.A21@286.56,150.57
NetJ9_C22: J9.C22 J10.A22 | length 14.9
  Top Layer w1.45: J9.C22@271.64,148.03 J10.A22@286.56,148.03
NetJ9_C23: J9.C23 J10.A23 | length 14.9
  Top Layer w1.45: J9.C23@271.64,145.49 J10.A23@286.56,145.49
NetJ9_C24: J9.C24 J10.A24 | length 14.9
  Top Layer w1.45: J9.C24@271.64,142.95 J10.A24@286.56,142.95
NetJ9_C25: J9.C25 J10.A25 | length 14.9
  Top Layer w1.45: J9.C25@271.64,140.41 J10.A25@286.56,140.41
NetJ9_C26: J9.C26 J10.A26 | length 14.9
  Top Layer w1.45: J9.C26@271.64,137.87 J10.A26@286.56,137.87
NetJ9_C27: J9.C27 J10.A27 | length 14.9
  Top Layer w1.45: J9.C27@271.64,135.33 J10.A27@286.56,135.33
NetJ9_C28: J9.C28 J10.A28 | length 14.9
  Top Layer w1.45: J9.C28@271.64,132.79 J10.A28@286.56,132.79
NetJ9_C29: J9.C29 J10.A29 | length 14.9
  Top Layer w1.45: J9.C29@271.64,130.25 J10.A29@286.56,130.25
NetJ9_C30: J9.C30 J10.A30 | length 14.9
  Top Layer w1.45: J9.C30@271.64,127.71 J10.A30@286.56,127.71
NetJ9_C31: J9.C31 J10.A31 | length 14.9
  Top Layer w1.45: J9.C31@271.64,125.17 J10.A31@286.56,125.17
NetJ10_C16: J10.C16 J11.A16 | length 14.9
  Top Layer w1.45: J10.C16@291.64,163.27 J11.A16@306.56,163.27
NetJ10_C17: J10.C17 J11.A17 | length 14.9
  Top Layer w1.45: J10.C17@291.64,160.73 J11.A17@306.56,160.73
NetJ10_C18: J10.C18 J11.A18 | length 14.9
  Top Layer w1.45: J10.C18@291.64,158.19 J11.A18@306.56,158.19
NetJ10_C19: J10.C19 J11.A19 | length 14.9
  Top Layer w1.45: J10.C19@291.64,155.65 J11.A19@306.56,155.65
NetJ10_C20: J10.C20 J11.A20 | length 14.9
  Top Layer w1.45: J10.C20@291.64,153.11 J11.A20@306.56,153.11
NetJ10_C21: J10.C21 J11.A21 | length 14.9
  Top Layer w1.45: J10.C21@291.64,150.57 J11.A21@306.56,150.57
NetJ10_C22: J10.C22 J11.A22 | length 14.9
  Top Layer w1.45: J10.C22@291.64,148.03 J11.A22@306.56,148.03
NetJ10_C23: J10.C23 J11.A23 | length 14.9
  Top Layer w1.45: J10.C23@291.64,145.49 J11.A23@306.56,145.49
NetJ10_C24: J10.C24 J11.A24 | length 14.9
  Top Layer w1.45: J10.C24@291.64,142.95 J11.A24@306.56,142.95
NetJ10_C25: J10.C25 J11.A25 | length 14.9
  Top Layer w1.45: J10.C25@291.64,140.41 J11.A25@306.56,140.41
NetJ10_C26: J10.C26 J11.A26 | length 14.9
  Top Layer w1.45: J10.C26@291.64,137.87 J11.A26@306.56,137.87
NetJ10_C27: J10.C27 J11.A27 | length 14.9
  Top Layer w1.45: J10.C27@291.64,135.33 J11.A27@306.56,135.33
NetJ10_C28: J10.C28 J11.A28 | length 14.9
  Top Layer w1.45: J10.C28@291.64,132.79 J11.A28@306.56,132.79
NetJ10_C29: J10.C29 J11.A29 | length 14.9
  Top Layer w1.45: J10.C29@291.64,130.25 J11.A29@306.56,130.25
NetJ10_C30: J10.C30 J11.A30 | length 14.9
  Top Layer w1.45: J10.C30@291.64,127.71 J11.A30@306.56,127.71
NetJ10_C31: J10.C31 J11.A31 | length 14.9
  Top Layer w1.45: J10.C31@291.64,125.17 J11.A31@306.56,125.17
NetJ11_C16: J11.C16 J12.A16 | length 14.9
  Top Layer w1.45: J11.C16@311.64,163.27 J12.A16@326.56,163.27
NetJ11_C17: J11.C17 J12.A17 | length 14.9
  Top Layer w1.45: J11.C17@311.64,160.73 J12.A17@326.56,160.73
NetJ11_C18: J11.C18 J12.A18 | length 14.9
  Top Layer w1.45: J11.C18@311.64,158.19 J12.A18@326.56,158.19
NetJ11_C19: J11.C19 J12.A19 | length 14.9
  Top Layer w1.45: J11.C19@311.64,155.65 J12.A19@326.56,155.65
NetJ11_C20: J11.C20 J12.A20 | length 14.9
  Top Layer w1.45: J11.C20@311.64,153.11 J12.A20@326.56,153.11
NetJ11_C21: J11.C21 J12.A21 | length 14.9
  Top Layer w1.45: J11.C21@311.64,150.57 J12.A21@326.56,150.57
NetJ11_C22: J11.C22 J12.A22 | length 14.9
  Top Layer w1.45: J11.C22@311.64,148.03 J12.A22@326.56,148.03
NetJ11_C23: J11.C23 J12.A23 | length 14.9
  Top Layer w1.45: J11.C23@311.64,145.49 J12.A23@326.56,145.49
NetJ11_C24: J11.C24 J12.A24 | length 14.9
  Top Layer w1.45: J11.C24@311.64,142.95 J12.A24@326.56,142.95
NetJ11_C25: J11.C25 J12.A25 | length 14.9
  Top Layer w1.45: J11.C25@311.64,140.41 J12.A25@326.56,140.41
NetJ11_C26: J11.C26 J12.A26 | length 14.9
  Top Layer w1.45: J11.C26@311.64,137.87 J12.A26@326.56,137.87
NetJ11_C27: J11.C27 J12.A27 | length 14.9
  Top Layer w1.45: J11.C27@311.64,135.33 J12.A27@326.56,135.33
NetJ11_C28: J11.C28 J12.A28 | length 14.9
  Top Layer w1.45: J11.C28@311.64,132.79 J12.A28@326.56,132.79
NetJ11_C29: J11.C29 J12.A29 | length 14.9
  Top Layer w1.45: J11.C29@311.64,130.25 J12.A29@326.56,130.25
NetJ11_C30: J11.C30 J12.A30 | length 14.9
  Top Layer w1.45: J11.C30@311.64,127.71 J12.A30@326.56,127.71
NetJ11_C31: J11.C31 J12.A31 | length 14.9
  Top Layer w1.45: J11.C31@311.64,125.17 J12.A31@326.56,125.17
NetJ12_C16: J12.C16 J13.A16 | length 14.9
  Top Layer w1.45: J12.C16@331.64,163.27 J13.A16@346.56,163.27
NetJ12_C17: J12.C17 J13.A17 | length 14.9
  Top Layer w1.45: J12.C17@331.64,160.73 J13.A17@346.56,160.73
NetJ12_C18: J12.C18 J13.A18 | length 14.9
  Top Layer w1.45: J12.C18@331.64,158.19 J13.A18@346.56,158.19
NetJ12_C19: J12.C19 J13.A19 | length 14.9
  Top Layer w1.45: J12.C19@331.64,155.65 J13.A19@346.56,155.65
NetJ12_C20: J12.C20 J13.A20 | length 14.9
  Top Layer w1.45: J12.C20@331.64,153.11 J13.A20@346.56,153.11
NetJ12_C21: J12.C21 J13.A21 | length 14.9
  Top Layer w1.45: J12.C21@331.64,150.57 J13.A21@346.56,150.57
NetJ12_C22: J12.C22 J13.A22 | length 14.9
  Top Layer w1.45: J12.C22@331.64,148.03 J13.A22@346.56,148.03
NetJ12_C23: J12.C23 J13.A23 | length 14.9
  Top Layer w1.45: J12.C23@331.64,145.49 J13.A23@346.56,145.49
NetJ12_C24: J12.C24 J13.A24 | length 14.9
  Top Layer w1.45: J12.C24@331.64,142.95 J13.A24@346.56,142.95
NetJ12_C25: J12.C25 J13.A25 | length 14.9
  Top Layer w1.45: J12.C25@331.64,140.41 J13.A25@346.56,140.41
NetJ12_C26: J12.C26 J13.A26 | length 14.9
  Top Layer w1.45: J12.C26@331.64,137.87 J13.A26@346.56,137.87
NetJ12_C27: J12.C27 J13.A27 | length 14.9
  Top Layer w1.45: J12.C27@331.64,135.33 J13.A27@346.56,135.33
NetJ12_C28: J12.C28 J13.A28 | length 14.9
  Top Layer w1.45: J12.C28@331.64,132.79 J13.A28@346.56,132.79
NetJ12_C29: J12.C29 J13.A29 | length 14.9
  Top Layer w1.45: J12.C29@331.64,130.25 J13.A29@346.56,130.25
NetJ12_C30: J12.C30 J13.A30 | length 14.9
  Top Layer w1.45: J12.C30@331.64,127.71 J13.A30@346.56,127.71
NetJ12_C31: J12.C31 J13.A31 | length 14.9
  Top Layer w1.45: J12.C31@331.64,125.17 J13.A31@346.56,125.17
NetJ13_C16: J13.C16 J14.A16 | length 14.9
  Top Layer w1.45: J13.C16@351.64,163.27 J14.A16@366.56,163.27
NetJ13_C17: J13.C17 J14.A17 | length 14.9
  Top Layer w1.45: J13.C17@351.64,160.73 J14.A17@366.56,160.73
NetJ13_C18: J13.C18 J14.A18 | length 14.9
  Top Layer w1.45: J13.C18@351.64,158.19 J14.A18@366.56,158.19
NetJ13_C19: J13.C19 J14.A19 | length 14.9
  Top Layer w1.45: J13.C19@351.64,155.65 J14.A19@366.56,155.65
NetJ13_C20: J13.C20 J14.A20 | length 14.9
  Top Layer w1.45: J13.C20@351.64,153.11 J14.A20@366.56,153.11
NetJ13_C21: J13.C21 J14.A21 | length 14.9
  Top Layer w1.45: J13.C21@351.64,150.57 J14.A21@366.56,150.57
NetJ13_C22: J13.C22 J14.A22 | length 14.9
  Top Layer w1.45: J13.C22@351.64,148.03 J14.A22@366.56,148.03
NetJ13_C23: J13.C23 J14.A23 | length 14.9
  Top Layer w1.45: J13.C23@351.64,145.49 J14.A23@366.56,145.49
NetJ13_C24: J13.C24 J14.A24 | length 14.9
  Top Layer w1.45: J13.C24@351.64,142.95 J14.A24@366.56,142.95
NetJ13_C25: J13.C25 J14.A25 | length 14.9
  Top Layer w1.45: J13.C25@351.64,140.41 J14.A25@366.56,140.41
NetJ13_C26: J13.C26 J14.A26 | length 14.9
  Top Layer w1.45: J13.C26@351.64,137.87 J14.A26@366.56,137.87
NetJ13_C27: J13.C27 J14.A27 | length 14.9
  Top Layer w1.45: J13.C27@351.64,135.33 J14.A27@366.56,135.33
NetJ13_C28: J13.C28 J14.A28 | length 14.9
  Top Layer w1.45: J13.C28@351.64,132.79 J14.A28@366.56,132.79
NetJ13_C29: J13.C29 J14.A29 | length 14.9
  Top Layer w1.45: J13.C29@351.64,130.25 J14.A29@366.56,130.25
NetJ13_C30: J13.C30 J14.A30 | length 14.9
  Top Layer w1.45: J13.C30@351.64,127.71 J14.A30@366.56,127.71
NetJ13_C31: J13.C31 J14.A31 | length 14.9
  Top Layer w1.45: J13.C31@351.64,125.17 J14.A31@366.56,125.17
NetJ14_C16: J14.C16 J15.A16 | length 14.9
  Top Layer w1.45: J14.C16@371.64,163.27 J15.A16@386.56,163.27
NetJ14_C17: J14.C17 J15.A17 | length 14.9
  Top Layer w1.45: J14.C17@371.64,160.73 J15.A17@386.56,160.73
NetJ14_C18: J14.C18 J15.A18 | length 14.9
  Top Layer w1.45: J14.C18@371.64,158.19 J15.A18@386.56,158.19
NetJ14_C19: J14.C19 J15.A19 | length 14.9
  Top Layer w1.45: J14.C19@371.64,155.65 J15.A19@386.56,155.65
NetJ14_C20: J14.C20 J15.A20 | length 14.9
  Top Layer w1.45: J14.C20@371.64,153.11 J15.A20@386.56,153.11
NetJ14_C21: J14.C21 J15.A21 | length 14.9
  Top Layer w1.45: J14.C21@371.64,150.57 J15.A21@386.56,150.57
NetJ14_C22: J14.C22 J15.A22 | length 14.9
  Top Layer w1.45: J14.C22@371.64,148.03 J15.A22@386.56,148.03
NetJ14_C23: J14.C23 J15.A23 | length 14.9
  Top Layer w1.45: J14.C23@371.64,145.49 J15.A23@386.56,145.49
NetJ14_C24: J14.C24 J15.A24 | length 14.9
  Top Layer w1.45: J14.C24@371.64,142.95 J15.A24@386.56,142.95
NetJ14_C25: J14.C25 J15.A25 | length 14.9
  Top Layer w1.45: J14.C25@371.64,140.41 J15.A25@386.56,140.41
NetJ14_C26: J14.C26 J15.A26 | length 14.9
  Top Layer w1.45: J14.C26@371.64,137.87 J15.A26@386.56,137.87
NetJ14_C27: J14.C27 J15.A27 | length 14.9
  Top Layer w1.45: J14.C27@371.64,135.33 J15.A27@386.56,135.33
NetJ14_C28: J14.C28 J15.A28 | length 14.9
  Top Layer w1.45: J14.C28@371.64,132.79 J15.A28@386.56,132.79
NetJ14_C29: J14.C29 J15.A29 | length 14.9
  Top Layer w1.45: J14.C29@371.64,130.25 J15.A29@386.56,130.25
NetJ14_C30: J14.C30 J15.A30 | length 14.9
  Top Layer w1.45: J14.C30@371.64,127.71 J15.A30@386.56,127.71
NetJ14_C31: J14.C31 J15.A31 | length 14.9
  Top Layer w1.45: J14.C31@371.64,125.17 J15.A31@386.56,125.17
NetJ15_C16: J15.C16 J16.A16 | length 14.9
  Top Layer w1.45: J15.C16@391.64,163.27 J16.A16@406.56,163.27
NetJ15_C17: J15.C17 J16.A17 | length 14.9
  Top Layer w1.45: J15.C17@391.64,160.73 J16.A17@406.56,160.73
NetJ15_C18: J15.C18 J16.A18 | length 14.9
  Top Layer w1.45: J15.C18@391.64,158.19 J16.A18@406.56,158.19
NetJ15_C19: J15.C19 J16.A19 | length 14.9
  Top Layer w1.45: J15.C19@391.64,155.65 J16.A19@406.56,155.65
NetJ15_C20: J15.C20 J16.A20 | length 14.9
  Top Layer w1.45: J15.C20@391.64,153.11 J16.A20@406.56,153.11
NetJ15_C21: J15.C21 J16.A21 | length 14.9
  Top Layer w1.45: J15.C21@391.64,150.57 J16.A21@406.56,150.57
NetJ15_C22: J15.C22 J16.A22 | length 14.9
  Top Layer w1.45: J15.C22@391.64,148.03 J16.A22@406.56,148.03
NetJ15_C23: J15.C23 J16.A23 | length 14.9
  Top Layer w1.45: J15.C23@391.64,145.49 J16.A23@406.56,145.49
NetJ15_C24: J15.C24 J16.A24 | length 14.9
  Top Layer w1.45: J15.C24@391.64,142.95 J16.A24@406.56,142.95
NetJ15_C25: J15.C25 J16.A25 | length 14.9
  Top Layer w1.45: J15.C25@391.64,140.41 J16.A25@406.56,140.41
NetJ15_C26: J15.C26 J16.A26 | length 14.9
  Top Layer w1.45: J15.C26@391.64,137.87 J16.A26@406.56,137.87
NetJ15_C27: J15.C27 J16.A27 | length 14.9
  Top Layer w1.45: J15.C27@391.64,135.33 J16.A27@406.56,135.33
NetJ15_C28: J15.C28 J16.A28 | length 14.9
  Top Layer w1.45: J15.C28@391.64,132.79 J16.A28@406.56,132.79
NetJ15_C29: J15.C29 J16.A29 | length 14.9
  Top Layer w1.45: J15.C29@391.64,130.25 J16.A29@406.56,130.25
NetJ15_C30: J15.C30 J16.A30 | length 14.9
  Top Layer w1.45: J15.C30@391.64,127.71 J16.A30@406.56,127.71
NetJ15_C31: J15.C31 J16.A31 | length 14.9
  Top Layer w1.45: J15.C31@391.64,125.17 J16.A31@406.56,125.17
NetR3_1: R3.1 SW1.2 | length 5.6
  Top Layer w0.254: SW1.2@90.135,198.3 90.66,198.3 91.083,198.723 91.083,199.003 93.86,201.78 R3.1@93.86,202.05
NetR5_1: R5.1 SW2.2 | length 5.6
  Top Layer w0.254: SW2.2@90.122,188.698 90.647,188.698 93.594,191.645 93.594,192.195 R5.1@93.847,192.448
NetR7_1: R7.1 SW3.2 | length 5.6
  Top Layer w0.254: SW3.2@89.995,179.046 90.52,179.046 90.943,179.469 90.943,179.749 93.72,182.526 R7.1@93.72,182.796
NetR9_1: R9.1 SW4.2 | length 5.4
  Top Layer w0.254: R9.1@423.757,197.461 424,197.704 424,198.223 426.393,200.616 426.393,200.975 426.816,201.398 SW4.2@427.043,201.398
NetR11_1: R11.1 SW5.2 | length 6.5
  Top Layer w0.254: R11.1@423.756,187.862 424.009,188.385 426.143,191.439 SW5.2@427.091,191.862 427.616,191.862 SW5.2@428.039,192.285
NetR13_1: R13.1 SW6.2 | length 5.1
  Top Layer w0.254: R13.1@423.884,177.903 423.884,178.173 426.642,180.931 426.642,181.312 SW6.2@427.043,181.713
pads on no net: J16.C16 J16.C17 J16.C18 J16.C19 J16.C20 J16.C21 J16.C22 J16.C23 J16.C24 J16.C25 J16.C26 J16.C27 J16.C28 J16.C29 J16.C30 J16.C31

## Polygon pours and split planes (outlines as drawn)
GND on Top Layer "GND_L01_P018" (solid, pour order 18): 432.314,216.638 432.187,216.511 432.187,112 84,112 84,216.512
+12 on Top Layer "+12_L01_P003" (solid, pour order 3): 412.883,177.871 414.407,171.553 103.257,171.553 101.233,169.529 101.233,139.16 103.892,136.501 108.718,136.501 108.718,123.928 100.336,123.928 95.002,129.262 95.002,170.156 102.717,177.871
+24 on Top Layer "+24_L01_P000" (solid, pour order 0): 414.28,166.6 106.56,166.6 106.56,164.802 108.718,164.802 108.718,156.803 103.876,156.803 102.749,158.025 102.749,168.505 104.4,170.156 414.28,170.156
GND on Bottom Layer "GND_L02_P014" (hatched 45Degree grid 0.508 track 0.203, pour order 14): 433,245.846 433,96 83,96 83,246
GND on Bottom Layer "GND_L02_P015" (solid, pour order 15): 432,216.511 432,112 84,112 84,216.511 420.249,216.511

## Other copper
Top Layer:
  pour cut-out: 431.425,193.016 431.298,192.889 431.298,184.888 417.836,184.888 415.804,186.92 106.813,186.92 106.432,187.301 85.35,187.301 85.35,195.429 100.082,195.429 102.495,193.016 416.439,193.016
  pour cut-out: 105.289,185.777 85.35,185.777 85.35,175.871 98.939,175.871 102.368,179.3 413.264,179.3 417.368,174.855 431.425,174.855 431.425,183.491 417.328,183.491 415.423,185.396 105.67,185.396
  pour cut-out: 100.336,205.335 85.35,205.335 85.35,196.953 100.336,196.953 102.863,194.426 418.725,194.426 426.091,194.426 431.425,194.426 431.425,204.446 417.328,204.446 413.264,200.509 106.051,200.509
  pour cut-out: 408.946,164.441 408.946,122.404 407.422,120.88 111.258,120.88 109.734,122.404 109.734,165.061 108.719,165.061 108.671,121.943 110.496,120.118 408.184,120.118 409.962,121.896 409.962,164.441
Bottom Layer:
  pour cut-out: 431.425,193.016 431.298,192.889 431.298,184.888 417.836,184.888 415.804,186.92 106.813,186.92 106.432,187.301 85.35,187.301 85.35,195.429 100.082,195.429 102.495,193.016 416.439,193.016
  pour cut-out: 105.289,185.777 85.35,185.777 85.35,175.871 98.939,175.871 102.368,179.3 413.264,179.3 417.368,174.855 431.425,174.855 431.425,183.491 417.328,183.491 415.423,185.396 105.67,185.396
  pour cut-out: 100.336,205.335 85.35,205.335 85.35,196.953 100.336,196.953 102.863,194.426 418.725,194.426 426.091,194.426 431.425,194.426 431.425,204.446 417.328,204.446 413.264,200.509 106.051,200.509
  pour cut-out: 109.734,165.058 109.734,122.404 111.258,120.88 407.422,120.88 408.946,122.404 408.946,164.441 409.962,164.441 409.962,121.896 408.184,120.118 406.152,120.118 110.496,120.118 108.718,121.896 108.718,165.058
  text "Ale nie widać ścieżek..." at 421.519,162.028 h1 r90
  text "Rasistą jesteś??!" at 423.805,162.028 h1.52 r90
  text "Napewno nie zielone?" at 418.458,161.901 h0.8 r90
  text "Bierzemy czarne ponieważ .... coś tam" at 419.855,161.901 h0.8 r90
  text "18/11/2023 01:55" at 425.964,144.756 h0.8 r90

## Silkscreen, mask and mechanical layers (free items; w line width, h text height)
Top Overlay:
  drawing of 391 lines, arcs and shapes, not listed
  text "10X15 EXTENTION BOARD SPACE" at 85.254,228.254 h1.52
  text "ARTEM HORIUNOV" at 403.528,223.386 h1.52
  text "CAN1" at 230.384,223.115 h1.52
  text "SW1" at 240.163,223.115 h1.52
  text "CAN1" at 246.386,223.115 h1.52
  text "SW4" at 256.165,223.115 h1.52
  text "Manufactured in china by JLCPCB" at 170.254,222.987 h1
  text "ARIADNA MODULAR SYSTEM" at 108.458,222.542 h4
  text "PROUDLY DESIGNED IN POLAND" at 361.528,222.386 h1.52
  text "[GND] [CAN1 H/L] [GND] [CAN2 H/L] [GND] [CAN3 H/L] [GND] [12v] [GND] [24v] [GND] [GPIO 1-16] [GND]" at 274.172,222.199 h0.8
  text "TERMINATION" at 211.842,222.099 h1.52
  text "ArtemHoriunov@gmail.com" at 403.274,221.132 h0.94
  text "CAN2" at 230.422,221.055 h1.52
  text "SW2" at 240.201,221.055 h1.52
  text "CAN2" at 246.424,221.055 h1.52
  text "SW5" at 256.203,221.055 h1.52
  text "ON to terminate" at 212.858,219.94 h1
  text "[GND] [CAN1 H/L] [GND] [CAN2 H/L] [GND] [CAN3 H/L] [GND] [12v] [GND] [24v] [GND] [GPIO 1-16] [GND]" at 274.172,219.913 h0.8
  text "JLCJLCJLCJLC" at 173.454,219.454 h2
  text "Politechnika Wrocławska KNR KoNaR" at 361.528,219.386 h1.2
  text "CAN3" at 230.422,219.023 h1.52
  text "SW3" at 240.201,219.023 h1.52
  text "CAN3" at 246.424,219.023 h1.52
  text "SW6" at 256.203,219.023 h1.52
  text "REV: B" at 148.559,218.767 h1.52
  text "'.Print_Date'" at 403.847,218.644 h1
  text "carrier board" at 107.95,218.183 h4
  text "ON" at 427.26,205.474 h1.52
  text "ON" at 85.35,202.16 h1.52
  text "12V" at 425.329,171.299 h1.52
  text "24V" at 418.852,171.172 h1.52
  text "WARNING" at 90.811,165.711 h1
  text "DIN 41612" at 102.486,113.191 h1.52 r90
  text "PSU" at 110.777,107.084 h1.52
  text "MON" at 410.777,107.084 h1.52
  text "01" at 104,106 h5
  text "02" at 127,106 h5
  text "03" at 147,106 h5
  text "04" at 167,106 h5
  text "05" at 187,106 h5
  text "06" at 207,106 h5
  text "07" at 227,106 h5
  text "08" at 247,106 h5
  text "09" at 267,106 h5
  text "10" at 287,106 h5
  text "11" at 307,106 h5
  text "12" at 327,106 h5
  text "13" at 347,106 h5
  text "14" at 367,106 h5
  text "15" at 387,106 h5
  text "16" at 404,106 h5
Board Shape:
  lines w1: 82.6,96 ccw(c83.1,96) 83.1,95.5 ; 82.6,96 ccw(c83.1,96) 83.1,95.5 ; 82.6,96 82.6,246 ; 82.6,246 cw(c83.1,246) 83.1,246.5 ; 82.6,246 cw(c83.1,246) 83.1,246.5 ; 83.1,95.5 433.1,95.5 ; 83.1,246.5 433.1,246.5 ; 433.1,95.5 ccw(c433.1,96) 433.6,96 ; 433.1,95.5 ccw(c433.1,96) 433.6,96 ; 433.1,246.5 cw(c433.1,246) 433.6,246 ; 433.1,246.5 cw(c433.1,246) 433.6,246 ; 433.6,96 433.6,246

## Dimensions
88.1,102 to 88.1,240 on Mechanical 1
129.1,117 to 149.1,117 on Mechanical 1
83.1,96 to 83.1,246 on Mechanical 1
109.1,117 to 129.1,117 on Mechanical 1
433.1,102.746 to 409.1,117 on Mechanical 1
109.1,117 to 83.1,96 on Mechanical 1
83.1,96 to 433.1,96 on Mechanical 1